# Altium PCB AMPM_GT400VN.PcbDoc (part 1 of 3)
Units mil, origin at the board's own origin, x right, y up, seen from the top; angles counter-clockwise.
Board outline 2654.8 x 2519.91 mil, 2 copper layers (Top Layer, Bottom Layer), stack 65.792 mil thick; 155 components, 114 nets, 568 pads, 487 vias.
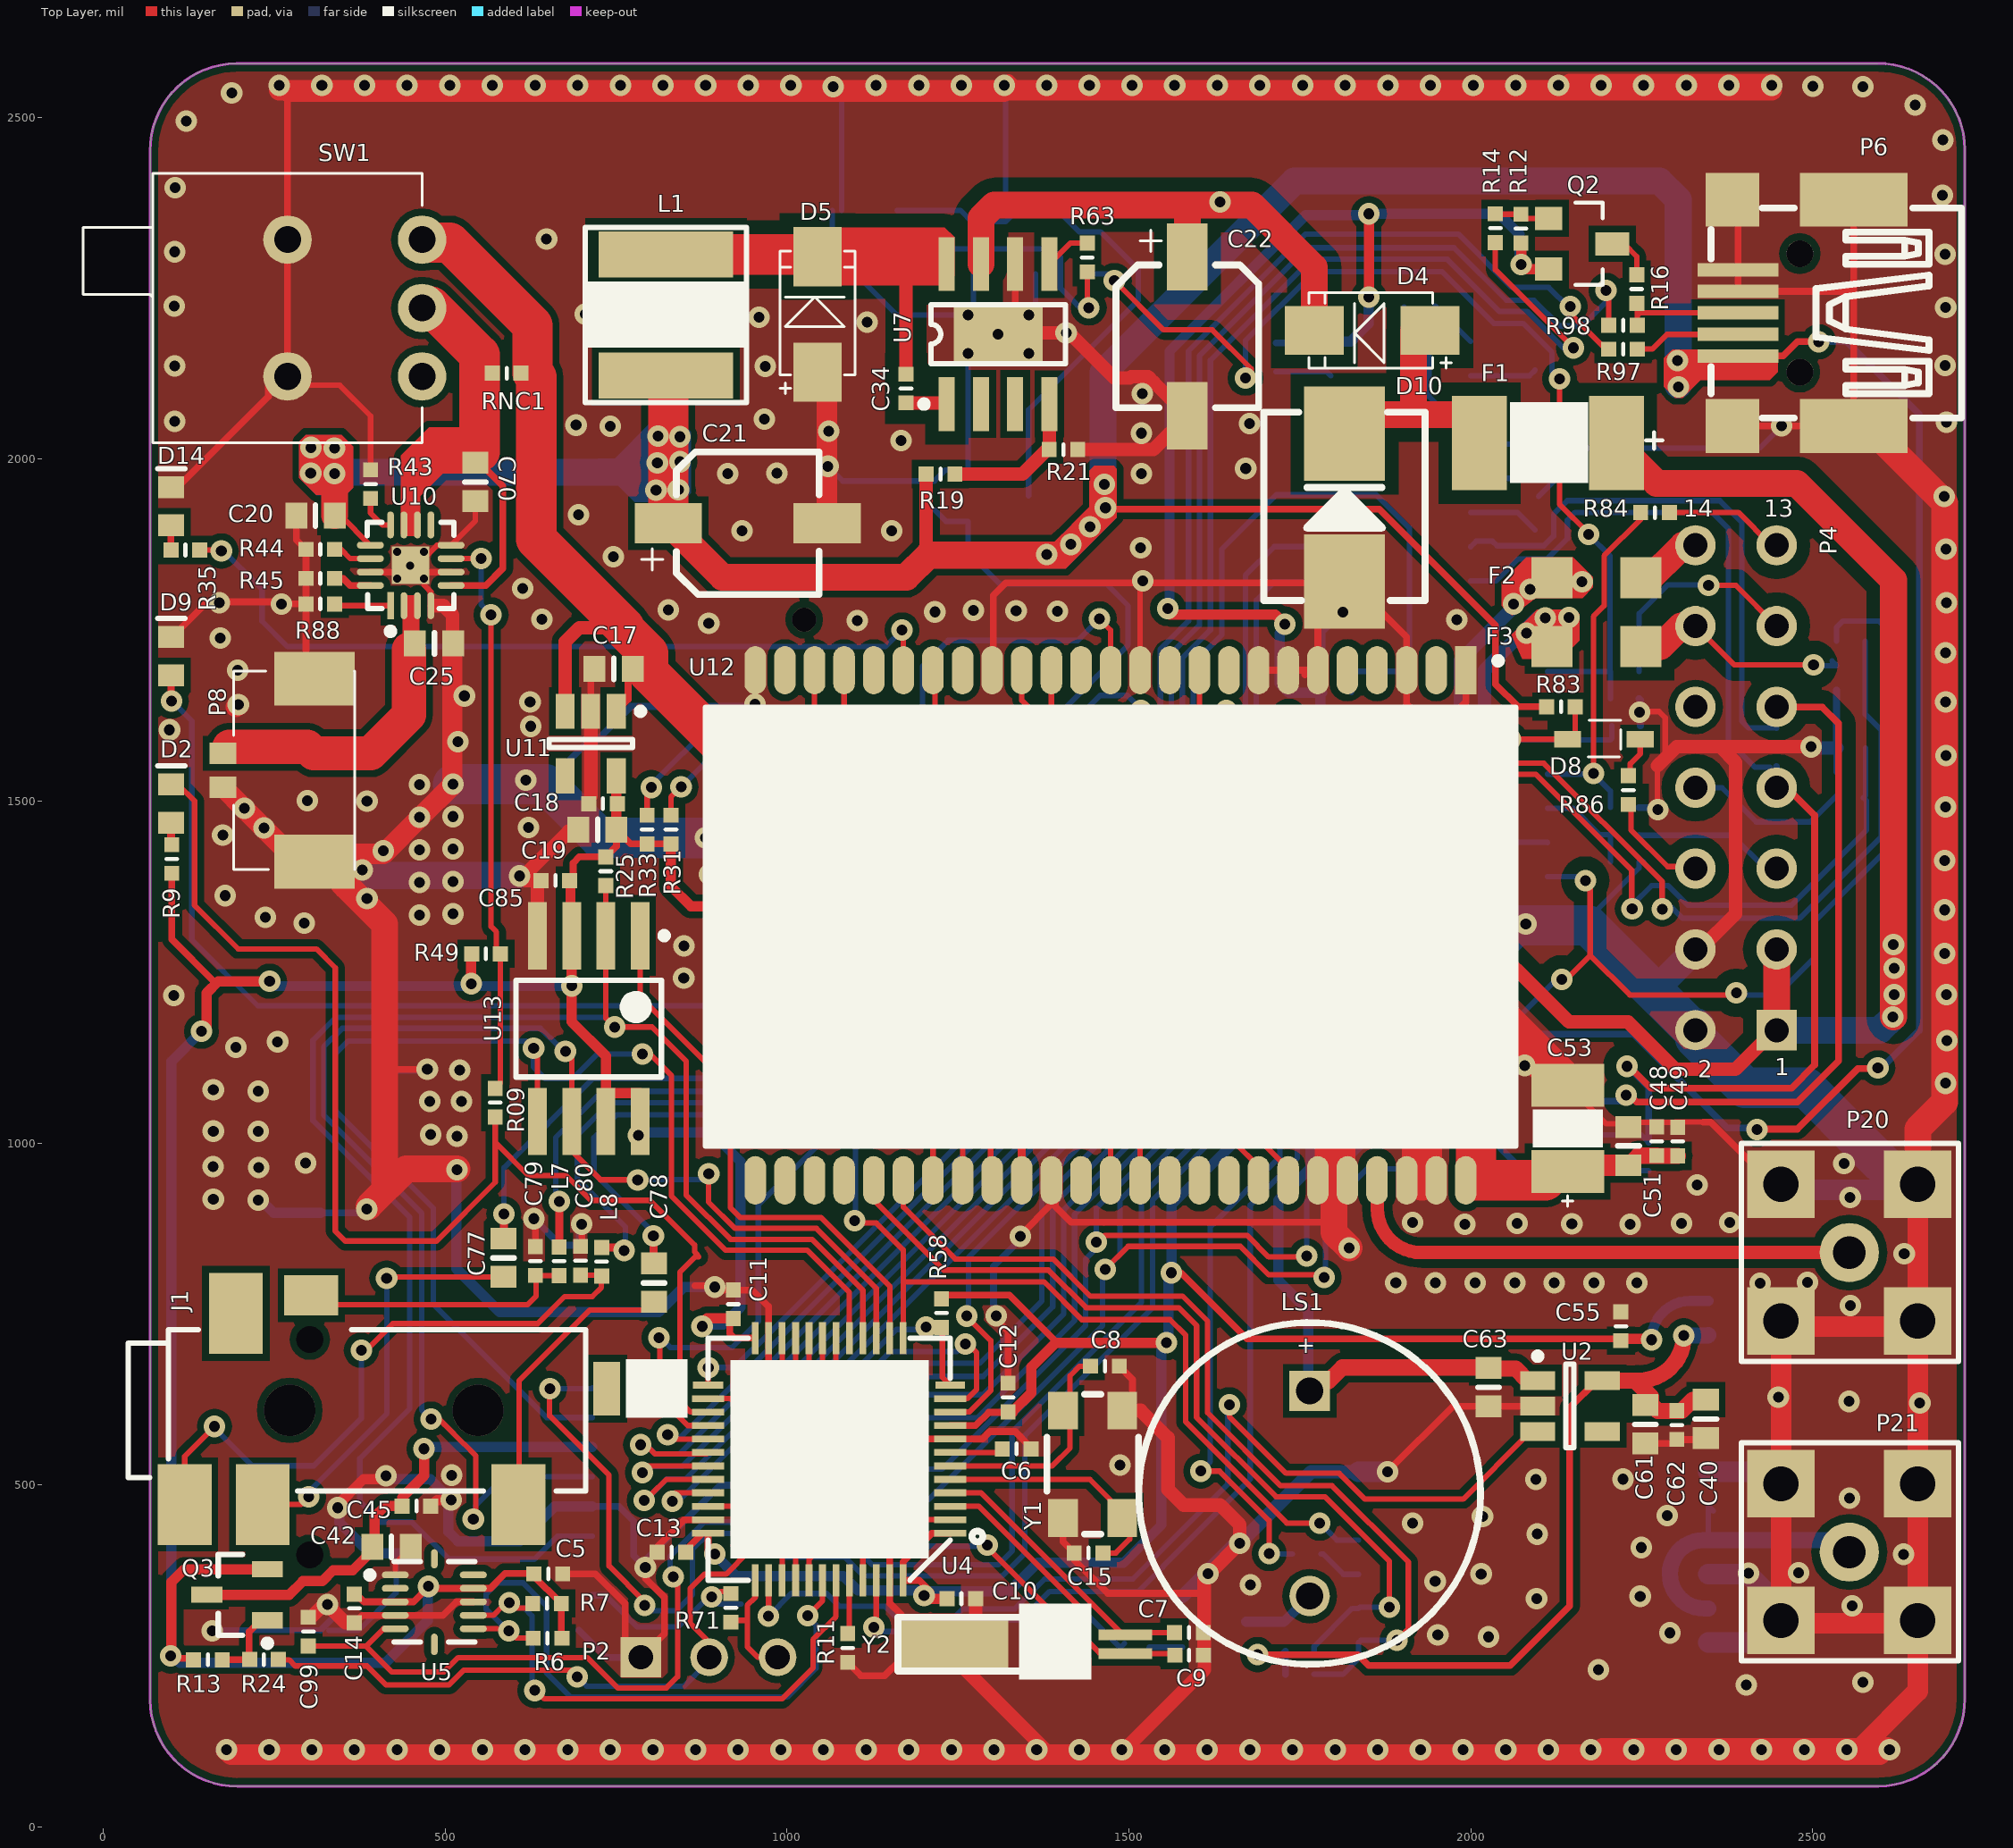
[diagram p0: Top Layer view]
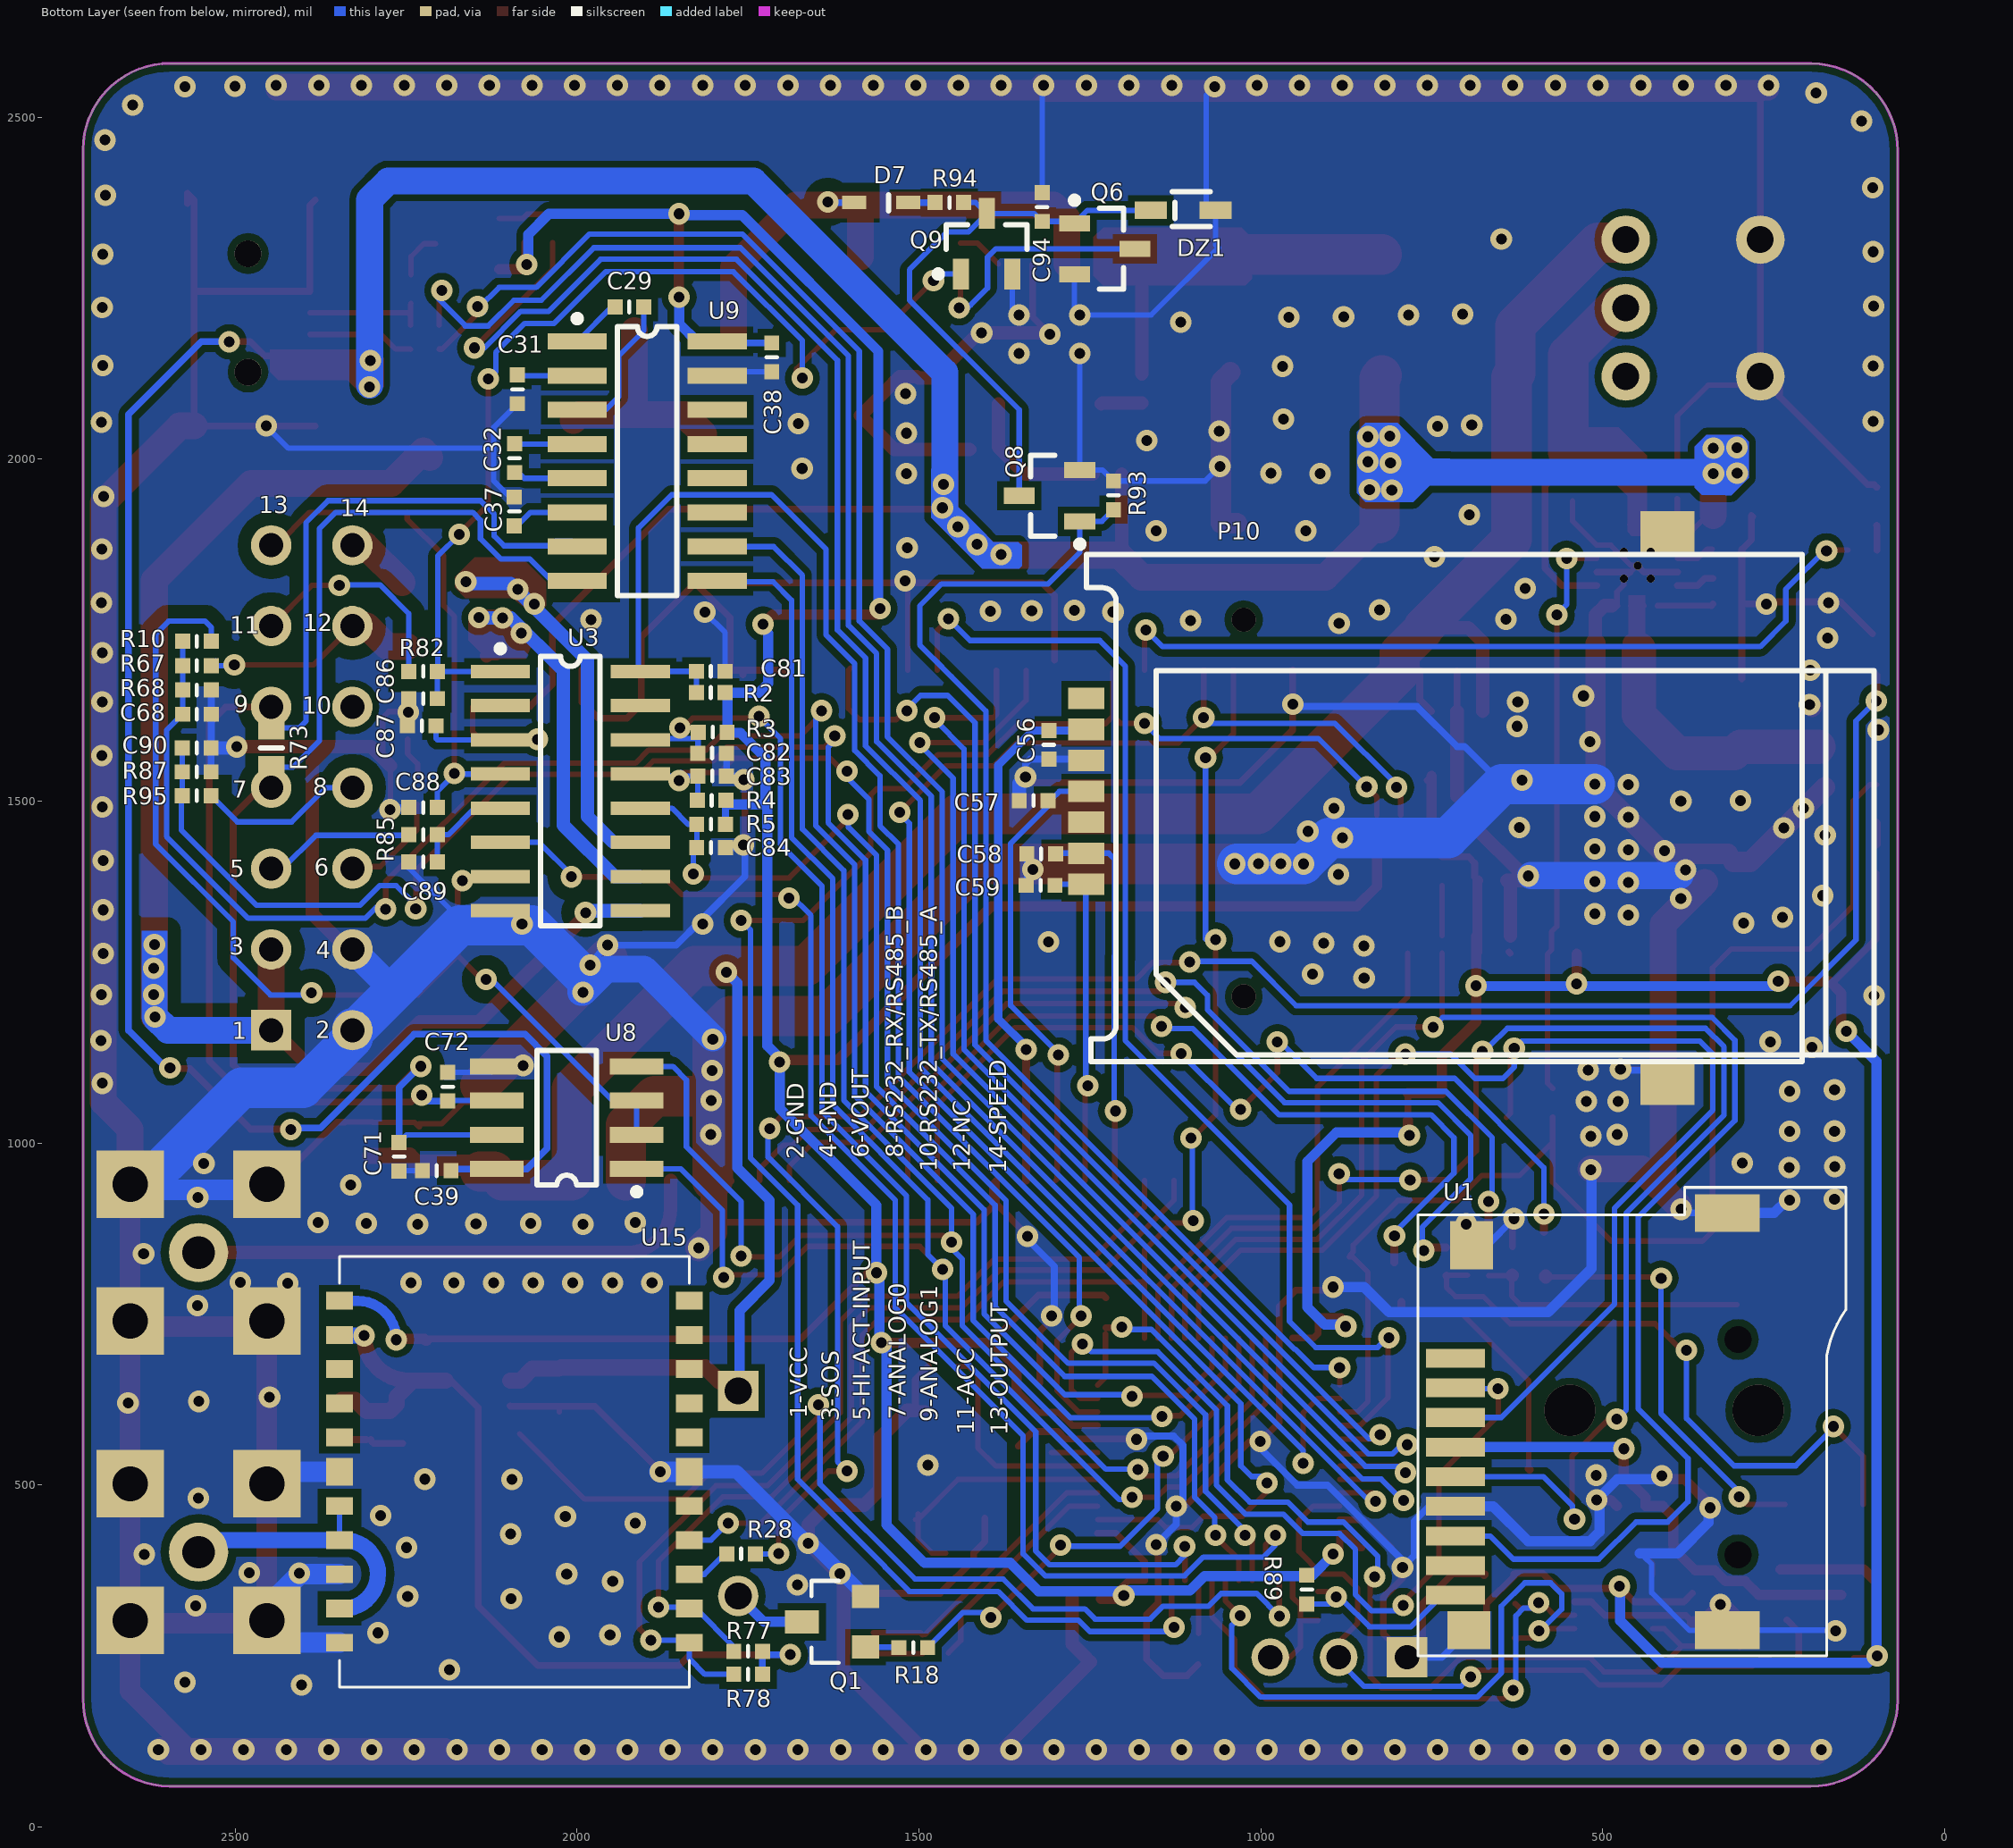
[diagram p1: Bottom Layer view, seen from below]
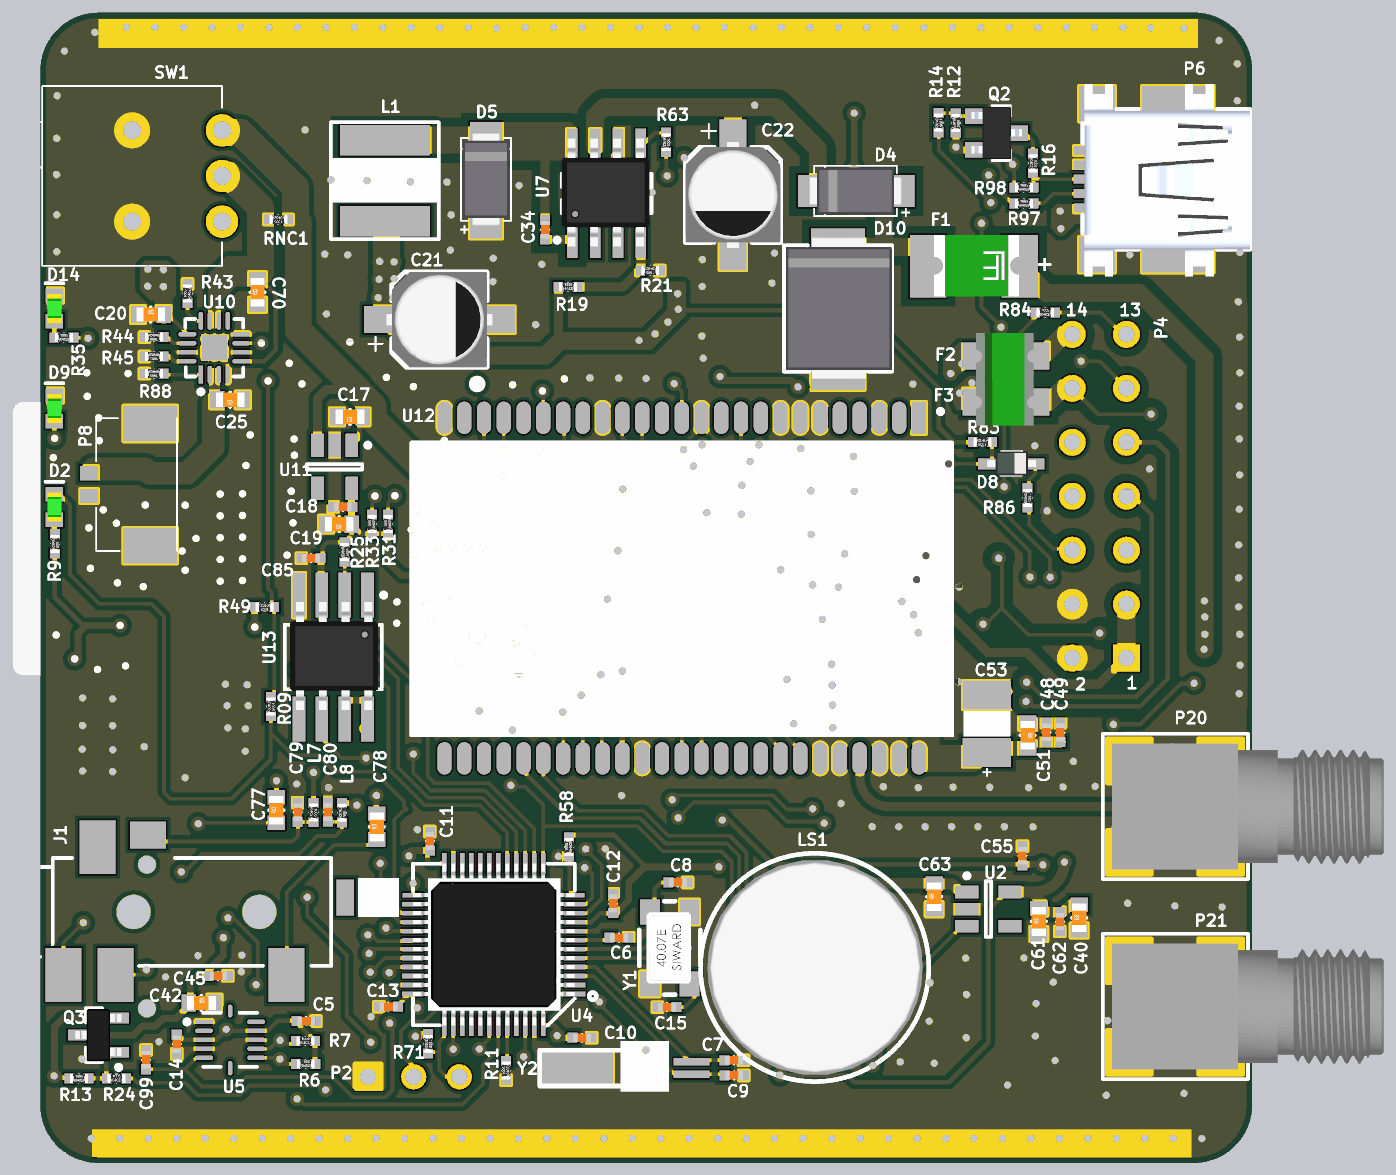
[diagram p4: 3D render of the assembled board from above, using the file's embedded part models]
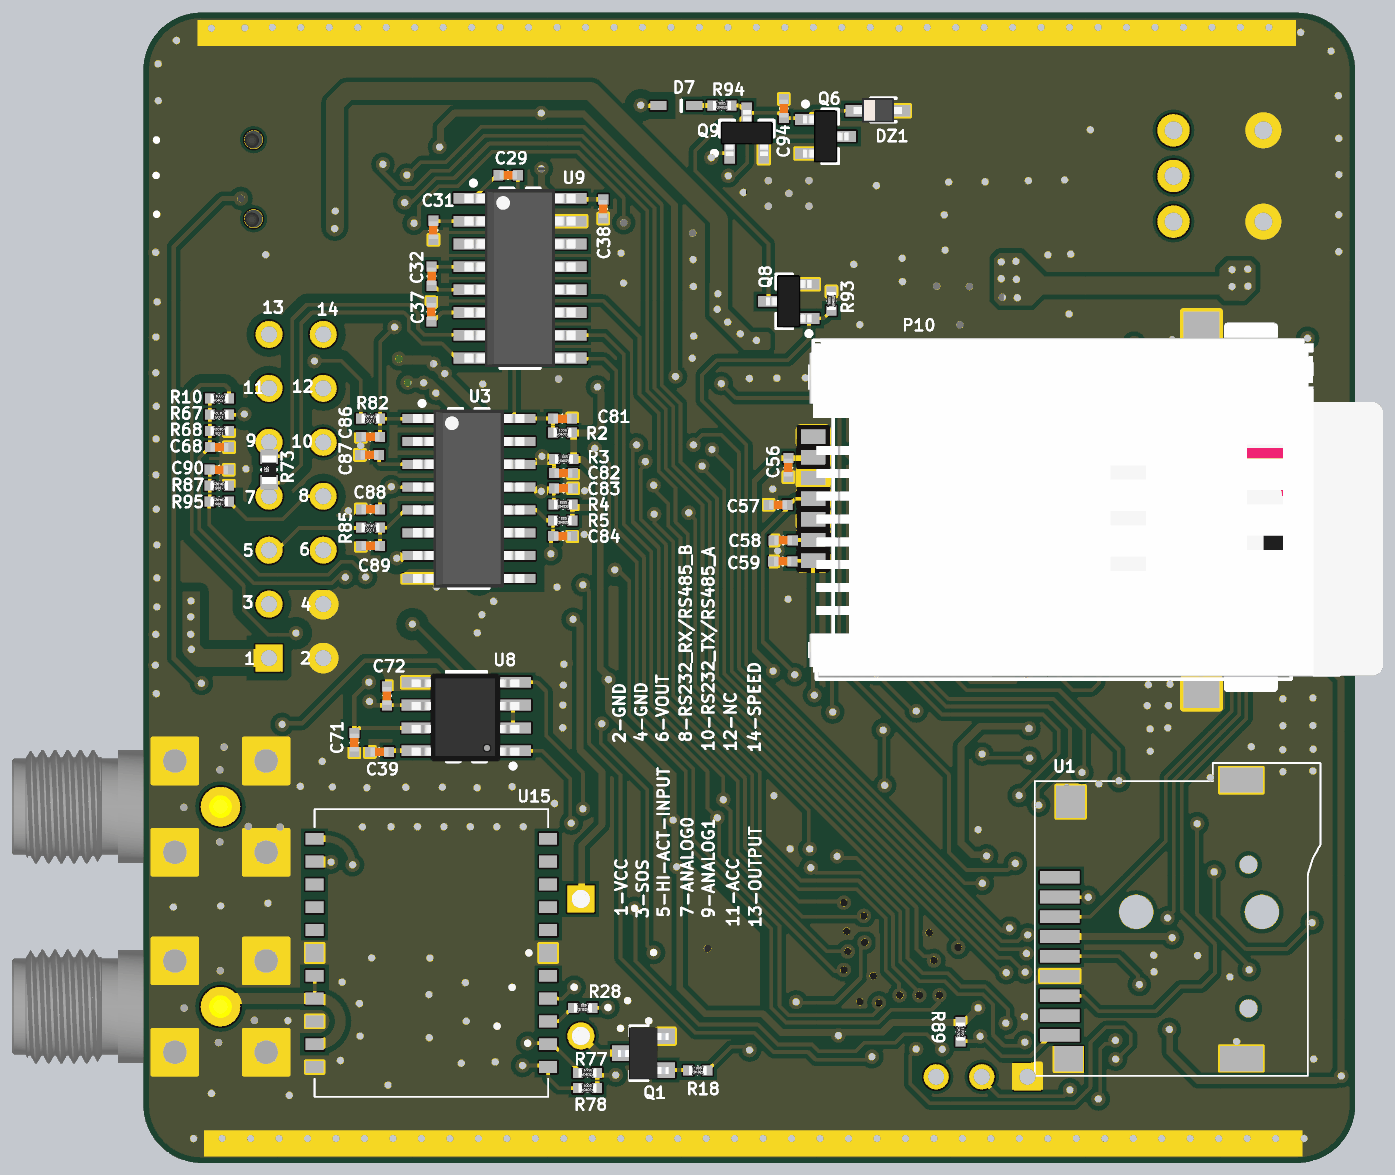
[diagram p5: 3D render of the assembled board from below, using the file's embedded part models]

## Layer stack, top to bottom
Top Solder: solder mask 0.4, Solder Resist, Dk 3.5
Top Layer: signal copper 1.4
Dielectric1: core 62.9921, FR-4, Dk 4.8
Bottom Layer: signal copper 1.4
Bottom Solder: solder mask 0.4, Solder Resist, Dk 3.5

## Board outline
68.14,185.16 68.14,2451.32 68.19,2451.32 cw(c194.96,2452.11) 194.16,2578.88 194.16,2578.89 2595.33,2578.89 2595.33,2579.09 cw(c2596.11,2452.32) 2722.89,2453.12 2722.89,186.75 2722.69,186.75 cw(c2595.92,185.96) 2596.72,59.19 2596.72,59.2 195.65,59.2 195.65,59.18 cw(c194.87,185.95)

## Design rules (kind name [scope] priority, off if disabled: settings)
Clearance Clearance_gsm_gps_antena [All vs (InNet('NetP21_1') OR InNet('NetP20_1'))] p1: gap=11.81
Clearance Clearance_gnd_big [InNamedPolygon('Bot_gnd') Or  InNamedPolygon('Top_gnd') vs (InNet('VIN') OR InNet('V++') OR InNet('AVL/IO1') OR InNet('AVL/IO2') OR InNet('AVL/IO3') OR InNet('AVL/IO4') OR InNet('AVL/IO5') OR InNet('AVL/IO6') OR InNet('AVL/IO7') OR InNet('485_A') OR InNet('485_B') OR InNet('OUTPUT1') OR InNet('OUTPUT2') OR InNet('NetD4_1') OR InNet('NetC34_2') OR InNet('NetC34_1') )] p2: gap=19.68
Clearance pol_gnd_all [InNamedPolygon('Bot_gnd') Or  InNamedPolygon('Top_gnd')] p3: gap=10
Clearance "my polygon" [InNamedPolygon('Top Layer-GND') Or  InNamedPolygon('Bottom Layer-GND')] p4: gap=15.75
Clearance [All] p5: gap=8
ComponentClearance [All] p1: gap=0 collisioncheckmode=3 verticalgap=0 showdistances=FALSE
PolygonConnect pol_style [All vs IsNamedPolygon('Top_gnd') Or  IsNamedPolygon('Bot_gnd')] p1: connectstyle=Direct reliefconductorwidth=10 reliefentries=4 polygonreliefangle="90 Angle" airgapwidth=10
PolygonConnect [All vs isvia] p2: connectstyle=Direct reliefconductorwidth=10 reliefentries=4 polygonreliefangle="90 Angle" airgapwidth=10
RoutingVias [All] p1: holewidth=28 width=50 viastyle="Through Hole" minholewidth=28 minwidth=31.5 maxholewidth=28 maxwidth=50
SilkToSolderMaskClearance SilkscreenOverComponentPads [IsPad] p1: minsilkscreentomaskgap=0.39 clearancetoexposedcopper=TRUE
SolderMaskExpansion [All] p1: expansion=4
Width [All] p1: maxlimit=78.74 minlimit=8 preferedwidth=8
28 further rules are at their usual default settings.

## Classes and differential pairs
component class GSM/GPS: C40 C48 C49 C51 C53 C55 C56 C57 C58 C59 C61 C62 C63 C77 C78 C79 C80 D9 D14 J1 L7 L8 P10 P20 P21 R28 R31 R33 R35 R77 R78 U2 U12 U15
component class Main: Buzzer1 C5 C6 C7 C8 C9 C10 C11 C12 C13 C14 C15 C29 C31 C32 C37 C38 C39 C42 C45 C68 C71 C72 C81 C82 C83 C84 C85 C86 C87 C88 C89 C90 C94 C99 D2 D7 D8 DZ1 F2 F3 LS1 P2 P4 P6 P9 Q1 Q2 Q3 Q6 Q8 Q9 R2 R3 R4 R5 R6 R7 R9 R10 R11 R12 R13 R14 R16 R18 R24 R25 R58 R63 R67 R68 R71 R73 R82 R83 R84 R85 R86 R87 R89 R93 R94 R95 R97 R98 U1 U3 U4 U5 U8 U9 U13 Y1 Y2
component class "Power Supply": C17 C18 C19 C20 C21 C22 C25 C34 C70 D4 D5 D10 F1 L1 P8 R09 R19 R21 R43 R44 R45 R49 R88 RNC1 SW1 U7 U10 U11

## Components (designator, comment, footprint, x,y, rotation, side; value= is the part's Value field where it differs from the comment)
C5 "100nF-16V-20%" C0402 650.68,369.78 r180 top
C6 "100nF-16V-20%" C0402 1335.82,552.57 r0 top
C7 "15p-50V-5%" C0402 1587.75,283.84 r0 top
C8 "15p-50V-5%" C0402 1464.85,673.51 r180 top
C9 "15p-50V-5%" C0402 1588.14,250.77 r0 top
C10 "100nF-16V-20%" C0402 1254.92,333.36 r0 top
C11 "100nF-16V-20%" C0402 921.4,764.06 r90 top
C12 "100nF-16V-20%" C0402 1323.23,627.67 r90 top
C13 "100nF-16V-20%" C0402 830.92,401.36 r180 top
C14 "100nF-16V-20%" C0402 366.96,319.18 r90 top
C15 "15p-50V-5%" C0402 1440.94,400.31 r180 top
C17 "1uF-16V-20%" C0603 774.04,1693.59 r180 top
C18 "100nF-16V-20%" C0402 730.74,1496.26 r0 top
C19 "1uF-16V-20%" C0603 750.32,1458.37 r180 top
C20 "1uF-16V-20%" C0603 282.22,1917.73 r0 top
C21 "100u, 6.3v" "CAPACITOR SIZE_C(D5.3)" 826.2,1906.51 r0 top locked
C22 "10uF, 35v" "CAPACITOR SIZE_C(D5.3)" 1585.39,2296.04 r270 top
C25 "10uF-6V3-20%" C0603 511.65,1730.78 r180 top
C29 "100nF-16V-20%" C0402 1923.57,2222.81 r0 bottom
C31 "100nF-16V-20%" C0402 2087.35,2102.34 r270 bottom
C32 "100nF-16V-20%" C0402 2091.55,2001.69 r90 bottom
C34 "100nF-16V-20%" C0402 1173.97,2103.52 r90 top
C37 "100nF-16V-20%" C0402 2091.94,1923.74 r90 bottom
C38 "100nF-16V-20%" C0402 1715.31,2149.19 r270 bottom
C39 "100nF-16V-20%" C0402 2205.46,959.43 r0 bottom
C40 "10uF-6V3-20%" C0603 2344.05,568.41 r90 top
C42 "1uF-16V-20%" C0603 393.44,409.39 r0 top
C45 "100nF-16V-20%" C0402 457.74,468.81 r0 top
C48 "15p-50V-5%" C0402 2272.12,1002.37 r90 top
C49 "33p-50V-5%" C0402 2302.88,1002.09 r90 top
C51 "1uF-16V-20%" C0603 2230.92,1023.36 r270 top
C53 "100u, ceramic" C1210 2141.92,1013.36 r270 top locked
C55 "100nF-16V-20%" C0402 2219.64,731.87 r270 top
C56 "100nF-16V-20%" C0402 1309.92,1582.36 r270 bottom
C57 "47p-50V-5%" C0402 1332.24,1500.77 r180 bottom
C58 "47p-50V-5%" C0402 1321.21,1422.81 r180 bottom
C59 "47p-50V-5%" C0402 1322,1376.75 r180 bottom
C61 "10uF-6V3-20%" C0603 2255.46,560.52 r90 top
C62 "100nF-16V-20%" C0402 2301.53,587.38 r90 top
C63 "1uF-16V-20%" C0603 2026.33,614.85 r90 top
C68 "100nF-16V-20%" C0402 2556.22,1627 r0 bottom
C70 "10uF-6V3-20%" C0603 543.94,1938.94 r90 top
C71 "47p-50V-5%" C0402 2260.58,979.9 r90 bottom
C72 "47p-50V-5%" C0402 2189.32,1082.26 r90 bottom
C77 "10uF-6V3-20%" C0603 585.11,804.18 r90 top
C78 "10uF-6V3-20%" C0603 805.15,767.6 r90 top
C79 "27p-50V-20%" C0402 631.89,827.33 r90 top
C80 "27p-50V-20%" C0402 697.81,827.8 r90 top
C81 "100nF-16V-20%" C0402 1804.55,1689.8 r0 bottom
C82 "100nF-16V-20%" C0402 1802.64,1570.06 r0 bottom
C83 "100nF-16V-20%" C0402 1802.47,1536.71 r0 bottom
C84 "100nF-16V-20%" C0402 1804.04,1432.05 r0 bottom
C85 "100nF-16V-20%" C0402 660.98,1383.84 r180 top
C86 "100nF-16V-20%" C0402 2225.33,1649.89 r180 bottom
C87 "100nF-16V-20%" C0402 2227.3,1610.05 r180 bottom
C88 "100nF-16V-20%" C0402 2225.33,1490.69 r180 bottom
C89 "100nF-16V-20%" C0402 2225.33,1411.09 r180 bottom
C90 "100nF-16V-20%" C0402 2556.62,1577.79 r0 bottom
C94 "100nF-16V-20%" C0402 1319.82,2368.89 r90 bottom
C99 "100nF-16V-20%" C0402 299.63,285.32 r270 top
D2 "LED GREEN" LED0603-G 98.92,1496.18 r90 top locked
D4 "1N4007" "DO-214AC (SMA)" 1904.93,2168.72 r180 top locked
D5 "B340A" "DO-214AC (SMA)" 1024.77,2162.7 r90 top locked
D7 "BAT43XV2" SOD-523F 1555.25,2375.43 r90 bottom
D8 "1N4148" SOD323#1 2194.85,1590.54 r0 top
D9 "LED GREEN" LED0603-G 98.92,1712.18 r90 top locked
D10 "TVS-24V" "DO-214AB (SMC)" 1815.37,1801.35 r90 top locked
D14 "LED GREEN" LED0603-G 98.92,1931.25 r90 top locked
DZ1 "5V1-300mW" SOD323#2 1066.27,2364.01 r0 bottom
F1 "MINISMDC050F-2" PTC1812 2107.11,2023.51 r270 top